# Allegro board RK_NVR_DEMO1_RK3588_LP4XD200P232SD8_V21_20211228_final_lint.brd (continued)
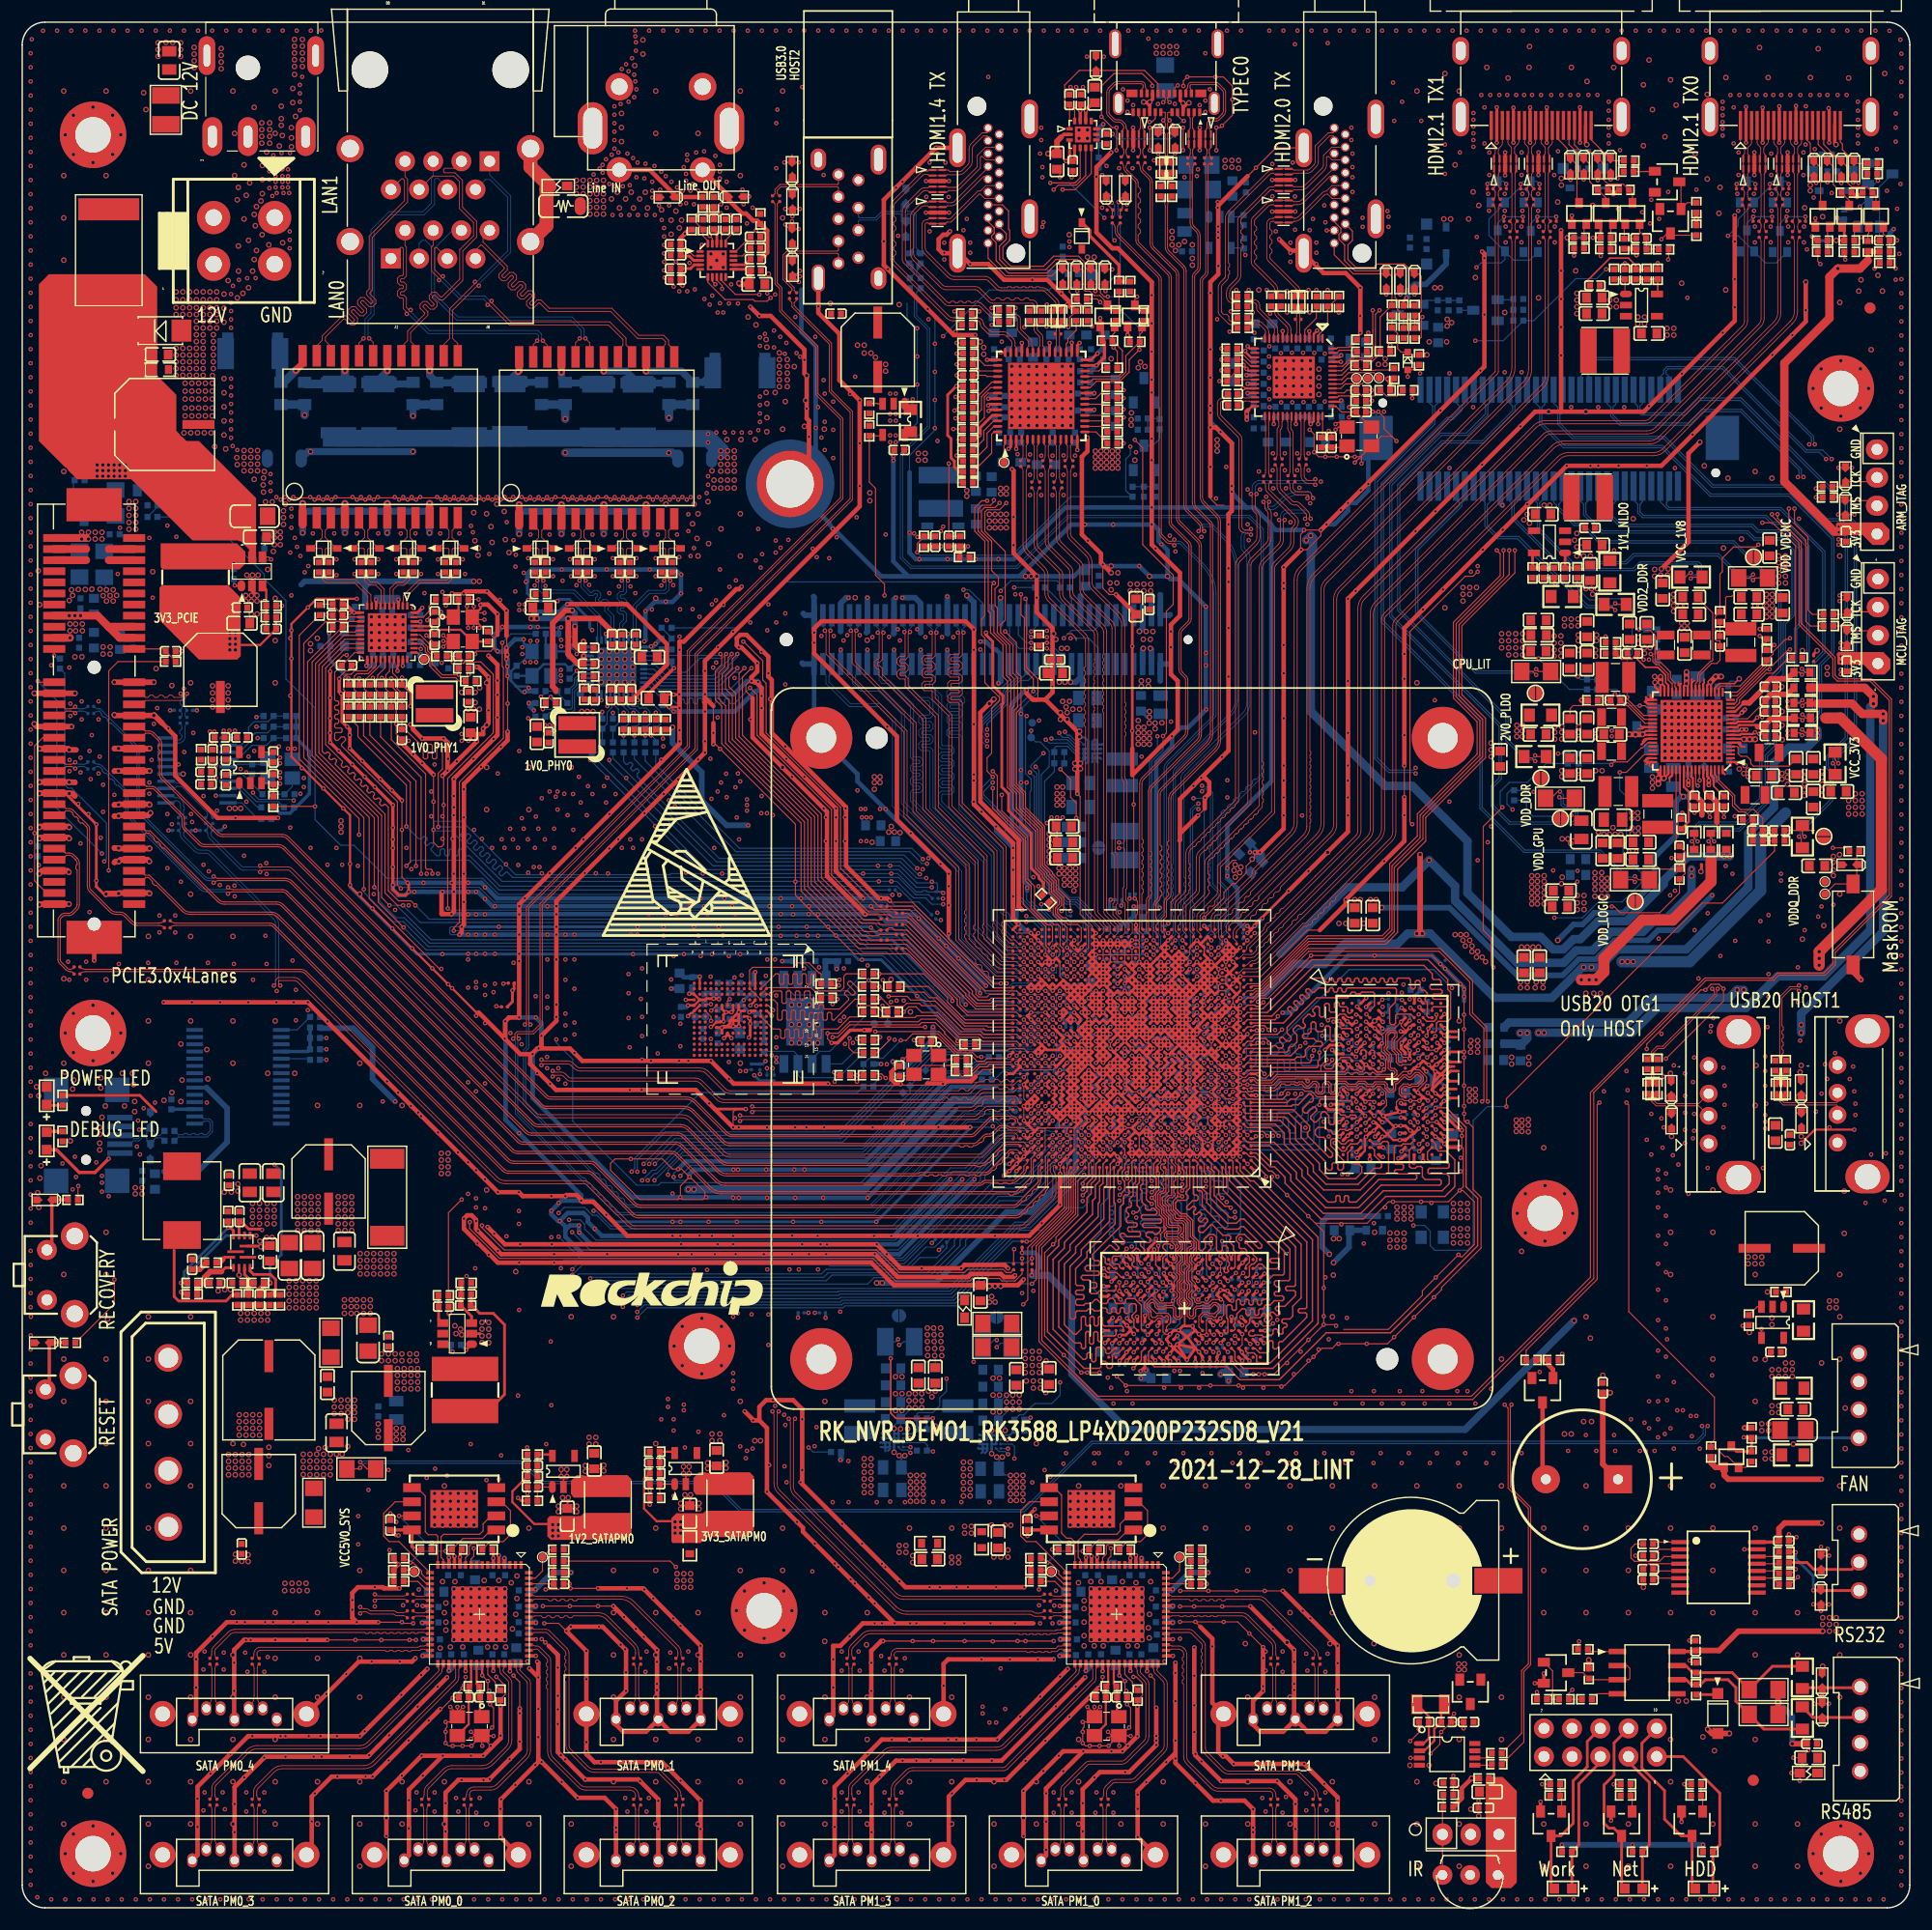
[diagram p0: board, top side]
## Routing (per net, layer and track width the routed paths; a pad name or vN(x,y) marks a point on that pad's centre or on a via; arc(x,y) is an arc through that point) (continued)
  L6-S2 w0.102: v1(133.47,122.37) 134.19,123.08 136.01,123.08 139.98,127.04 161.01,127.04 161.11,127.14 v1(161.62,127.14)
L0DN: length 2
  TOP w0.076: R5530.2 94.08,130.56 arc(94.15,130.67) 94.18,130.8 94.18,131.81 94.07,131.92 U5500.12
L0DP: length 2
  TOP w0.076: U5500.13 94.57,131.92 94.46,131.81 94.46,130.8 arc(94.49,130.67) 94.56,130.56 R5532.2
L1DN: length 4
  TOP w0.076: R5527.2 93.01,128.55 arc(93.13,128.75) 93.18,128.97 93.18,131.81 93.07,131.92 U5500.10
L1DP: length 4
  TOP w0.076: U5500.11 93.57,131.92 93.46,131.81 93.46,128.97 arc(93.5,128.75) 93.63,128.55 R5529.2
L2DN: length 4
  TOP w0.076: U5500.6 91.07,131.92 91.18,131.81 91.18,128.97 arc(91.13,128.75) 91.01,128.55 R5523.2
L2DP: length 4
  TOP w0.076: R5524.2 91.63,128.55 arc(91.5,128.75) 91.46,128.97 91.46,131.81 91.57,131.92 U5500.7
L3DN: length 2
  TOP w0.076: R5520.2 90.01,130.49 arc(90.13,130.68) 90.18,130.9 90.18,131.81 90.07,131.92 U5500.4
L3DP: length 2
  TOP w0.076: R5521.2 90.63,130.49 arc(90.5,130.68) 90.46,130.9 90.46,131.81 90.57,131.92 U5500.5
LAN0_A+: length 23.9
  TOP w0.076: v1(34.65,143.68) 34.65,143.84 34.34,144.15 34.34,145.02 34.26,145.1 34.05,145.1 33.81,145.34 33.81,145.72 34.05,145.96 34.26,145.96 34.34,146.04 34.34,146.19 34.26,146.27 34.05,146.27 33.81,146.51 33.81,146.89 34.05,147.13 34.26,147.13 34.34,147.21 34.34,149.58 34.25,149.67 34.08,149.67 33.22,148.81 J6700.A1 ; U6700.23 46.05,140.91 v1(46.4,141.27)
  BOTTOM w0.076: v1(46.4,141.27) 46.52,141.38 46.52,141.74 46.36,141.9 36.58,141.9 34.8,143.68 v1(34.65,143.68)
LAN0_A-: length 23.9
  TOP w0.076: U6700.22 47.32,140.86 v1(46.91,141.27) ; v1(35,144.04) 34.84,144.04 34.62,144.26 34.62,145.14 34.38,145.38 34.16,145.38 34.08,145.46 34.08,145.61 34.16,145.69 34.38,145.69 34.62,145.92 34.62,146.31 34.38,146.55 34.16,146.55 34.08,146.62 34.08,146.78 34.16,146.85 34.38,146.85 34.62,147.09 34.62,149.7 34.49,149.83 J6700.A2
  BOTTOM w0.076: v1(46.91,141.27) 46.8,141.38 46.8,141.86 46.47,142.18 36.7,142.18 35,143.88 v1(35,144.04)
LAN0_B+: length 24.6
  TOP w0.076: v1(50.24,141.47) 49.86,141.09 U6700.20
  BOTTOM w0.076: J6700.A3 35.76,150.03 36.04,150.31 36.35,150.31 36.88,149.78 36.88,145.39 39.15,143.12 49.44,143.12 50.35,142.21 50.35,141.58 v1(50.24,141.47)
LAN0_B-: length 24.7
  TOP w0.076: U6700.19 51.13,141.09 v1(50.74,141.47)
  BOTTOM w0.076: J6700.A6 38.77,151.21 37.16,149.6 37.16,145.51 39.27,143.4 49.55,143.4 50.63,142.32 50.63,141.58 v1(50.74,141.47)
LAN0_C+: length 25.5
  TOP w0.076: U6700.17 53.68,140.41 54.13,140.86 54.13,141.38 52.82,142.69 43.9,142.69 42.09,144.5 v1(41.94,144.5) ; J6700.A4 37.03,149.86 36.88,149.7 36.88,147.55 37.56,146.88 v1(37.56,146.72)
  BOTTOM w0.076: v1(41.94,144.5) 41.94,144.65 41.59,145 39.43,145 37.71,146.72 v1(37.56,146.72)
LAN0_C-: length 25.4
  TOP w0.076: v1(42.29,144.85) 42.29,144.69 44.02,142.97 52.93,142.97 54.4,141.5 54.4,140.89 54.95,140.34 U6700.16 ; J6700.A5 38.3,148.71 37.34,149.66 37.23,149.66 37.16,149.59 37.16,147.67 37.75,147.07 v1(37.91,147.07)
  BOTTOM w0.076: v1(37.91,147.07) 37.91,146.92 39.55,145.28 41.7,145.28 42.13,144.85 v1(42.29,144.85)
LAN0_D+: length 29.6
  TOP w0.076: J6700.A7 40.84,149.42 41.3,149.88 41.41,149.88 43.43,147.86 43.43,147.75 42.96,147.28 42.96,146.94 43.23,146.67 43.57,146.67 44.04,147.14 44.15,147.14 44.26,147.03 44.26,146.92 43.79,146.46 43.79,146.12 44.06,145.84 44.4,145.84 44.87,146.31 44.98,146.31 45.09,146.2 45.09,146.1 44.62,145.63 44.62,145.29 44.89,145.02 45.23,145.02 45.7,145.49 45.8,145.49 45.91,145.38 45.91,145.27 45.44,144.8 45.44,144.46 45.72,144.19 46.06,144.19 46.52,144.66 46.63,144.66 47.38,143.91 53.01,143.91 55.45,141.47 57.68,141.47 57.96,141.19 57.96,140.94 57.49,140.46 U6700.14
LAN0_D-: length 29.7
  TOP w0.076: U6700.13 58.75,140.4 58.24,140.91 58.24,141.31 57.8,141.75 55.56,141.75 53.12,144.19 47.5,144.19 46.75,144.94 46.41,144.94 45.94,144.47 45.83,144.47 45.72,144.58 45.72,144.69 46.19,145.15 46.19,145.49 45.92,145.77 45.58,145.77 45.11,145.3 45,145.3 44.9,145.4 44.9,145.51 45.36,145.98 45.36,146.32 45.09,146.59 44.75,146.59 44.28,146.12 44.18,146.12 44.07,146.23 44.07,146.34 44.54,146.81 44.54,147.15 44.27,147.42 43.93,147.42 43.46,146.95 43.35,146.95 43.24,147.06 43.24,147.17 43.71,147.64 43.71,147.97 41.53,150.16 41.53,150.63 J6700.A8
LAN0_MCT1: length 5.5
  TOP w0.635: v2(44.69,138.49) 44.78,138.57 U6700.24
  BOTTOM w0.635: D6702.1 44.08,137.51 R6713.1 ; D6707.1 43.94,137.74 v2(44.69,138.49)
LAN0_MCT2: length 5.4
  TOP w0.635: U6700.21 v2(48.59,138.42)
  BOTTOM w0.635: v2(48.59,138.42) 48.59,137.85 R6712.1 48.99,137.45 D6704.1
LAN0_MCT3: length 7.6
  TOP w0.635: U6700.18 v2(52.41,138.52)
  BOTTOM w0.635: R6711.1 58.21,137.45 D6705.1 54.42,138.52 v2(52.41,138.52)
LAN0_MCT4: length 8.1
  TOP w0.635: U6700.15 v2(56.22,138.52)
  BOTTOM w0.635: D6701.1 61.35,137.51 R6710.1 59.4,138.52 v2(56.22,138.52)
LAN1_A+: length 20.8
  TOP w0.076: U6800.13 39.24,141.01 38.78,141.47 38.78,144.01 40.99,146.22 v1(41.15,146.22)
  BOTTOM w0.076: J6700.B1 42.11,156.22 44.02,154.31 44.02,149.24 41.15,146.37 v1(41.15,146.22)
LAN1_A-: length 20.7
  TOP w0.076: v1(40.79,146.57) 40.79,146.42 38.5,144.13 38.5,141.44 37.98,140.92 U6800.14
  BOTTOM w0.076: J6700.B2 41.74,155.8 42.14,155.8 43.74,154.2 43.74,149.36 40.95,146.57 v1(40.79,146.57)
LAN1_B+: length 26
  TOP w0.076: U6800.16 35.44,140.75 35,141.19 35,142 36.55,143.55 36.55,143.89 36.13,144.31 36.13,144.41 36.24,144.52 36.34,144.52 36.76,144.11 37.1,144.11 37.37,144.38 37.37,144.72 36.96,145.13 36.96,145.24 37.06,145.35 37.17,145.35 37.59,144.93 37.93,144.93 39.7,146.7 39.7,149.36 40.94,150.6 40.94,152.03 39.67,153.3 39.67,155.72 38.99,156.41 38.05,156.41 37.97,156.48 37.97,156.71 38.07,156.81 38.94,156.81 J6700.B3
LAN1_B-: length 26.1
  TOP w0.076: U6800.17 34.17,140.72 34.72,141.27 34.72,142.12 36.27,143.67 36.27,143.77 35.85,144.19 35.85,144.53 36.12,144.8 36.46,144.8 36.88,144.38 36.99,144.38 37.09,144.49 37.09,144.6 36.68,145.02 36.68,145.36 36.95,145.63 37.29,145.63 37.7,145.21 37.81,145.21 39.42,146.82 39.42,149.47 40.66,150.72 40.66,151.91 39.39,153.18 39.39,155.6 38.9,156.1 36.96,156.1 J6700.B6
LAN1_C+: length 22
  TOP w0.076: v1(31.27,141.47) 31.62,141.12 U6800.19
  BOTTOM w0.076: J6700.B4 38.3,155.06 37.46,155.9 37.26,155.9 37.16,155.8 37.16,153.55 36.23,152.62 33.18,152.62 31.7,151.13 31.7,143.63 31.16,143.1 31.16,141.57 v1(31.27,141.47)
LAN1_C-: length 22.1
  TOP w0.076: v1(30.76,141.47) 30.35,141.06 U6800.20
  BOTTOM w0.076: v1(30.76,141.47) 30.88,141.6 30.88,143.21 31.42,143.74 31.42,151.25 33.07,152.9 36.12,152.9 36.88,153.66 36.88,155.92 37.03,156.08 J6700.B5
LAN1_D+: length 26.3
  TOP w0.076: J6700.B7 34.49,156.06 34.72,155.84 34.72,153.76 31.54,150.59 31.54,145.81 31.33,145.6 31.33,145.49 31.87,144.95 31.87,144.61 31.6,144.34 31.26,144.34 30.72,144.88 30.61,144.88 30.5,144.77 30.5,144.66 31.04,144.12 31.04,143.79 30.77,143.51 30.43,143.51 29.89,144.05 29.78,144.05 29.67,143.94 29.67,143.84 30.21,143.3 30.21,142.96 29.94,142.69 29.6,142.69 29.06,143.22 28.96,143.22 27.31,141.58 27.31,141.26 27.81,140.76 U6800.22
LAN1_D-: length 26.1
  TOP w0.076: J6700.B8 34.19,155.87 34.29,155.87 34.44,155.72 34.44,153.88 31.27,150.7 31.27,145.93 31.05,145.71 31.05,145.37 31.59,144.84 31.59,144.73 31.48,144.62 31.37,144.62 30.83,145.16 30.49,145.16 30.22,144.89 30.22,144.55 30.76,144.01 30.76,143.9 30.65,143.79 30.54,143.79 30.01,144.33 29.67,144.33 29.4,144.06 29.4,143.72 29.93,143.18 29.93,143.07 29.83,142.97 29.72,142.97 29.18,143.5 28.84,143.5 27.03,141.7 27.03,141.3 26.54,140.81 U6800.23
LAN1_MCT1: length 6
  TOP w0.635: v2(24.65,138.59) 25.27,139.21 U6800.24
  BOTTOM w0.762: D6800.1 23.23,137.6 R6813.1 23.57,137.51 v2(24.65,138.59)
LAN1_MCT2: length 5.9
  TOP w0.635: U6800.21 v2(29.08,138.55)
  BOTTOM w0.762: R6812.1 25.59,137.37 D6801.1 29.08,137.95 v2(29.08,138.55)
LAN1_MCT3: length 5.9
  TOP w0.635: U6800.18 v2(32.9,138.55)
  BOTTOM w0.635: v2(32.9,138.55) 32.15,137.8 D6806.1 ; R6811.1 35.07,137.37 D6802.1
LAN1_MCT4: length 5.6
  TOP w0.635: U6800.15 v2(36.71,138.55)
  BOTTOM w0.635: v2(36.71,138.55) 36.71,138.15 R6810.1 37.38,137.47 D6807.1
LINE_IN: length 8.7
  TOP w0.406: R7000.2 58.72,154.21 D7000.1 58.72,154.48 56.54,156.66 J7000.2
LINE_OUT: length 11.1
  TOP w0.406: J7000.3 63.65,154.32 D7001.1 63.65,153.95 64.87,152.73 65.22,152.73 65.86,152.09 66.22,152.09 R7003.1 67.13,151.18 67.13,149.23 C7005.2
LINEIN: length 2.1
  TOP w0.406: C7000.2 R7001.1 R7000.1
MCU_JTAG_TCK_M0/UART5_RX_M0: length 95.4
  TOP w0.089: 110.4,82.66 U1000.AE2
  TOP w0.102: v1(133.98,122.37) 133.98,120.19 129.46,115.67 129.46,109.26 131.6,107.13 131.6,103.78 126.21,98.4 126.21,96.36 123.62,93.77 123.62,87.98 122.75,87.11 115.9,87.11 111.63,82.84 111.07,82.84 110.89,82.66 110.4,82.66 ; R9109.1 161.3,116.59 160.91,116.98 160.91,123.59 159.69,124.81 v1(159.69,126.13)
  L6-S2 w0.102: v1(133.98,122.37) 134.49,122.88 136.22,122.88 140.18,126.84 158.98,126.84 v1(159.69,126.13)
MCU_JTAG_TMS_M0/UART5_TX_M0: length 95.3
  TOP w0.102: U1000.AE1 110.87,82.34 111.17,82.64 111.72,82.64 115.94,86.86 122.86,86.86 123.92,87.93 123.92,93.62 126.46,96.16 126.46,98.29 131.85,103.67 131.85,107.23 129.72,109.36 129.72,115.56 134.49,120.34 v1(134.49,122.37) ; R9108.1 161.13,115.55 160.7,115.97 160.7,123.28 159.18,124.81 v1(159.18,126.13)
  L6-S2 w0.102: v1(134.49,122.37) 136.12,122.37 140.38,126.64 158.67,126.64 v1(159.18,126.13)
MIPI_CAM3_CLKOUT: length 145
  TOP w0.102: v1(40.33,61.82) 40.31,61.79 40.31,61.24 43.01,58.54 76.66,58.54 78.69,56.51 85.42,56.51 85.65,56.74 88.06,56.74 88.29,56.51 89.46,56.51 90.09,57.14 R1917.2
  L4-S1 w0.102: v1(47.52,100.63) 47.52,100.12 40.53,93.13 40.53,62.02 v1(40.33,61.82)
  L6-S2 w0.102: v1(47.52,100.63) 48.36,101.47 58.34,101.47 70.79,113.92 70.79,116.88 72.92,119.02 84.61,119.02 v1(84.81,118.81)
  BOTTOM w0.102: v1(84.81,118.81) 85.32,118.81 86.55,117.58 U4700.39
MIPI_CAM4_CLKOUT: length 136.8
  TOP w0.102: v1(41.43,61.51) 41.43,61.31 43.43,59.3 76.98,59.3 79.01,57.27 84.91,57.27 85.19,57.55 88.39,57.55 88.67,57.27 89.07,57.27 R1918.2
  L4-S1 w0.102: v1(48.84,100.42) 48.84,100.32 41.32,92.8 41.32,61.61 v1(41.43,61.51)
  L6-S2 w0.102: v1(48.84,100.42) 49.17,100.75 58.65,100.75 71.73,113.83 85.93,113.83 v1(86.33,113.43)
  BOTTOM w0.102: U4700.40 86.55,113.21 v1(86.33,113.43)
MIPI_CSI0_PDN0_H_GPIO1_B3: length 136.2
  TOP w0.102: U1000.D27 v1(93.5,68.36)
  L4-S1 w0.102: v1(62.1,99.97) 51.69,89.55 51.69,65.07 53.26,63.49 53.26,58.82 v1(51.18,56.74)
  L6-S2 w0.102: v1(62.1,99.97) 62.02,100.04 62.02,103.04 69.77,110.79 85.21,110.79 89.48,115.05 v1(90.9,115.05)
  BOTTOM w0.089: v1(93.5,68.36) 93.5,68.12 93.42,68.04 93.36,68.04 93.17,67.85 93.17,67.58 91.9,66.31
  BOTTOM w0.102: v1(90.9,115.05) 91.35,115.5 U4700.51 ; 91.9,66.31 91.87,66.27 91.87,65.78 90.22,64.13 87.93,64.13 84.38,60.57 84.38,60.57 84,60.19 84,59.68 81.56,57.24 72.62,57.24 72.22,56.84 51.28,56.84 v1(51.18,56.74)
MIPI_CSI0_PDN1_H_GPIO1_A7: length 137.3
  TOP w0.102: v1(95.45,67.71) U1000.C25
  L4-S1 w0.102: v1(53.31,55.83) 54.02,56.55 54.02,63.95 52.6,65.37 52.6,89.15 63.47,100.02 v1(63.47,100.12)
  L6-S2 w0.102: v1(63.47,100.12) 63.37,100.22 63.37,101.74 63.04,102.07 63.04,102.41 70.2,109.57 85.59,109.57 89.14,113.12 91.01,113.12 91.41,113.53 91.41,114.2 v1(92.33,115.12)
  BOTTOM w0.089: 95.04,66.31 95.4,66.67 95.55,66.67 95.81,66.92 95.81,67.14 95.74,67.2 95.74,67.24 95.45,67.53 v1(95.45,67.71)
  BOTTOM w0.102: v1(92.33,115.12) 92.95,115.74 U4700.55 ; 95.04,66.31 94.79,66.06 94.79,66.01 90.6,61.82 89.46,61.82 83.48,55.83 v1(53.31,55.83)
MIPI_CSI0_RST_GPIO1_A4: length 142.3
  TOP w0.089: 95.12,67.39 U1000.B25
  TOP w0.102: 95.12,67.39 94.79,67.06 94.79,66.54 94.51,66.26 94.51,62.81 94.5,62.79 91.36,59.66 91.36,56.63 v1(90.98,56.25)
  L4-S1 w0.102: v1(55.42,53.21) 56.06,53.84 56.06,55.11 55.65,55.52 55.65,64.46 54.43,65.68 54.43,71.47 55.24,72.28 55.24,84.27 54.43,85.08 54.43,88.54 64.18,98.29 v1(64.39,98.29)
  L6-S2 w0.102: v1(64.39,98.29) 62.28,100.4 62.28,102.89 69.87,110.48 85.32,110.48 89.38,114.55 v1(90.9,114.55)
  BOTTOM w0.102: v1(90.9,114.55) 90.55,114.9 U4700.49 ; v1(55.42,53.21) 56.31,54.09 73.96,54.09 74.13,54.26 84.42,54.26 87.2,57.04 88.06,57.04 88.85,56.25 v1(90.98,56.25)
MIPI_CSI0_RX_CLK0N: length 38.1
  TOP w0.076: U1000.AJ34 89.2,85.01 88.12,85.01 85.85,87.28 85.85,87.43 85.72,87.56 85.72,87.79 85.85,87.91 85.85,88.14 85.72,88.27 85.72,88.5 85.85,88.62 85.85,94.3 81.15,99 81.15,107.14 77.21,111.08 77.21,111.61 77.14,111.69 77.02,111.69 76.78,111.93 76.78,112.31 77.02,112.55 77.14,112.55 77.21,112.63 77.21,114.83 v1(77.09,114.95)
  BOTTOM w0.076: v1(77.09,114.95) 77.21,115.07 77.21,115.24 76.95,115.5 U4700.15
MIPI_CSI0_RX_CLK0P: length 38.2
  TOP w0.076: v1(77.59,114.95) 77.49,114.85 77.49,112.51 77.25,112.27 77.14,112.27 77.06,112.19 77.06,112.04 77.14,111.97 77.25,111.97 77.49,111.73 77.49,111.19 81.43,107.26 81.43,99.12 86.13,94.42 86.13,87.39 88.24,85.29 89.57,85.29 U1000.AJ33
  BOTTOM w0.076: U4700.17 77.75,115.5 77.49,115.24 77.49,115.17 77.49,115.06 v1(77.59,114.95)
MIPI_CSI0_RX_CLK1N: length 39
  TOP w0.076: U1000.AM34 89.2,86.96 88.96,86.96 88.37,87.55 88.37,87.78 88.32,87.83 88.26,87.89 88.26,88.12 88.32,88.17 88.37,88.22 88.37,88.45 88.32,88.51 88.26,88.56 88.26,88.79 88.32,88.84 88.37,88.9 88.37,95.54 84.43,99.48 84.43,108.53 84.35,108.6 83.63,108.6 83.39,108.84 83.39,109.23 83.63,109.47 84.35,109.47 84.43,109.54 84.43,109.7 84.35,109.77 83.63,109.77 83.39,110.01 83.39,110.4 83.63,110.64 84.35,110.64 84.43,110.71 84.43,110.87 84.35,110.94 83.63,110.94 83.39,111.18 83.39,111.57 83.63,111.81 84.35,111.81 84.43,111.88 84.43,112.03 84.35,112.11 83.63,112.11 83.39,112.35 83.39,112.73 83.63,112.97 84.35,112.97 84.43,113.05 84.43,114.83 v1(84.31,114.95)
  BOTTOM w0.076: U4700.33 84.15,115.5 84.41,115.24 84.41,115.06 v1(84.31,114.95)
MIPI_CSI0_RX_CLK1P: length 39.1
  TOP w0.076: U1000.AM33 89.81,86.89 89.46,87.24 89.08,87.24 88.65,87.67 88.65,95.66 84.71,99.6 84.71,108.64 84.47,108.88 83.74,108.88 83.67,108.96 83.67,109.11 83.74,109.19 84.47,109.19 84.71,109.43 84.71,109.81 84.47,110.05 83.74,110.05 83.67,110.13 83.67,110.28 83.74,110.36 84.47,110.36 84.71,110.6 84.71,110.98 84.47,111.22 83.74,111.22 83.67,111.3 83.67,111.45 83.74,111.53 84.47,111.53 84.71,111.77 84.71,112.15 84.47,112.39 83.74,112.39 83.67,112.47 83.67,112.62 83.74,112.69 84.47,112.69 84.71,112.93 84.71,114.85 v1(84.81,114.95)
  BOTTOM w0.076: U4700.35 84.95,115.5 84.69,115.24 84.69,115.17 84.69,115.07 v1(84.81,114.95)
MIPI_CSI0_RX_D0N: length 41.4
  TOP w0.076: v1(72.32,115.13) 72.34,115.13 72.43,115.04 72.43,113.01 79.45,105.99 79.45,98.37 84.12,93.7 84.12,87.23 85.91,85.44 85.91,85.15 86.05,85.01 86.34,85.01 86.48,84.87 86.48,84.58 86.63,84.44 86.91,84.44 87.06,84.29 87.06,84 87.2,83.86 87.49,83.86 87.63,83.72 89.19,83.72 U1000.AG34
  BOTTOM w0.076: v1(72.32,115.13) 72.32,115.15 72.32,115.33 72.15,115.5 U4700.3
MIPI_CSI0_RX_D0P: length 41.2
  TOP w0.076: U1000.AG33 89.56,84 87.75,84 84.4,87.35 84.4,93.81 79.73,98.48 79.73,106.1 72.71,113.12 72.71,115.04 72.79,115.13 v1(72.82,115.13)
  BOTTOM w0.076: v1(72.82,115.13) 72.82,115.37 72.95,115.5 U4700.5
MIPI_CSI0_RX_D1N: length 39.6
  TOP w0.076: U1000.AH34 89.19,84.37 87.87,84.37 85.04,87.21 85.04,87.34 84.91,87.47 84.91,87.69 85.04,87.82 85.04,88.05 84.91,88.18 84.91,88.41 85.04,88.53 85.04,88.76 84.91,88.89 84.91,89.12 85.04,89.24 85.04,89.47 84.91,89.6 84.91,89.83 85.04,89.95 85.04,94 80.26,98.77 80.26,106.71 74.78,112.2 74.78,115.04 74.68,115.13 v1(74.65,115.13)
  BOTTOM w0.076: v1(74.65,115.13) 74.65,115.16 74.71,115.21 74.71,115.34 74.55,115.5 U4700.9
MIPI_CSI0_RX_D1P: length 39.5
  TOP w0.076: U1000.AH33 89.56,84.65 87.99,84.65 85.32,87.32 85.32,94.11 80.54,98.89 80.54,106.82 75.05,112.31 75.05,115.05 75.13,115.13 v1(75.16,115.13)
  BOTTOM w0.076: U4700.11 75.35,115.5 75.14,115.29 75.14,115.18 75.16,115.16 v1(75.16,115.13)
MIPI_CSI0_RX_D2N: length 38.1
  TOP w0.076: v1(79.49,115.01) 79.55,114.95 79.55,112.88 79.47,112.8 79.05,112.8 78.81,112.57 78.81,112.18 79.05,111.94 79.47,111.94 79.55,111.87 79.55,111.71 79.47,111.64 79.05,111.64 78.81,111.4 78.81,111.01 79.05,110.77 79.47,110.77 79.55,110.7 79.55,110.09 82.27,107.37 82.27,99.1 86.66,94.71 86.66,88.7 86.54,88.58 86.54,88.35 86.66,88.22 86.66,87.99 86.54,87.87 86.54,87.64 86.66,87.51 86.66,87.35 88.35,85.67 89.19,85.67 U1000.AK34
  BOTTOM w0.076: v1(79.49,115.01) 79.61,115.13 79.61,115.24 79.35,115.5 U4700.21
MIPI_CSI0_RX_D2P: length 38.2
  TOP w0.076: U1000.AK33 89.56,85.95 88.47,85.95 86.94,87.47 86.94,94.82 82.55,99.22 82.55,107.49 79.83,110.2 79.83,110.81 79.59,111.05 79.17,111.05 79.09,111.13 79.09,111.28 79.17,111.36 79.59,111.36 79.83,111.6 79.83,111.98 79.59,112.22 79.17,112.22 79.09,112.3 79.09,112.45 79.17,112.53 79.59,112.53 79.83,112.77 79.83,114.85 v1(79.99,115.01)
  BOTTOM w0.076: v1(79.99,115.01) 79.89,115.11 79.89,115.24 80.15,115.5 U4700.23
MIPI_CSI0_RX_D3N: length 38.5
  TOP w0.076: v1(81.87,114.95) 81.99,114.83 81.99,112.98 81.91,112.91 81.29,112.91 81.05,112.67 81.05,112.28 81.29,112.04 81.91,112.04 81.99,111.97 81.99,111.82 81.91,111.74 81.29,111.74 81.05,111.5 81.05,111.12 81.29,110.88 81.91,110.88 81.99,110.8 81.99,110.65 81.91,110.57 81.29,110.57 81.05,110.33 81.05,109.95 81.29,109.71 81.91,109.71 81.99,109.63 81.99,108.92 83.49,107.42 83.49,99.22 87.55,95.15 87.55,88.8 87.45,88.7 87.45,88.47 87.55,88.37 87.55,88.14 87.45,88.04 87.45,87.81 87.55,87.71 87.55,87.48 88.73,86.3 89.21,86.3 U1000.AL34
  BOTTOM w0.076: U4700.27 81.75,115.5 82.01,115.24 82.01,115.1 v1(81.87,114.95)
MIPI_CSI0_RX_D3P: length 38.6
  TOP w0.076: v1(82.37,114.95) 82.27,114.85 82.27,112.87 82.03,112.63 81.4,112.63 81.33,112.55 81.33,112.4 81.4,112.32 82.03,112.32 82.27,112.08 82.27,111.7 82.03,111.46 81.4,111.46 81.33,111.38 81.33,111.23 81.4,111.15 82.03,111.15 82.27,110.91 82.27,110.53 82.03,110.29 81.4,110.29 81.33,110.21 81.33,110.06 81.4,109.99 82.03,109.99 82.27,109.75 82.27,109.03 83.77,107.54 83.77,99.33 87.83,95.27 87.83,87.6 88.85,86.58 89.58,86.58 U1000.AL33
  BOTTOM w0.076: U4700.29 82.55,115.5 82.29,115.24 82.29,115.17 82.29,115.03 v1(82.37,114.95)
MIPI_CSI1_PDN0_H_GPIO1_B4: length 138.3
  TOP w0.102: U1000.E24 v1(96.1,69.01)
  L4-S1 w0.102: v1(65.3,99.92) 64.59,99.92 53.52,88.84 53.52,65.68 54.79,64.41 54.79,54.83 v1(54.13,54.17)
  L6-S2 w0.102: v1(65.3,99.92) 67.33,101.95 68.65,101.95 69.26,102.56 73.63,102.56 75.05,103.98 75.05,105.5 76.99,107.43 85.72,107.43 v1(86.94,106.21)
  BOTTOM w0.089: 96.09,63.64 96.09,65.42 96.57,65.91 96.57,67.43 96.42,67.58 96.42,68.5 96.1,68.82 v1(96.1,69.01)
  BOTTOM w0.102: 96.09,63.64 95.55,63.11 93.9,63.11 91.87,61.08 89.86,61.08 83.81,55.03 73.75,55.03 73.63,54.91 54.86,54.91 v1(54.13,54.17) ; v1(86.94,106.21) 86.94,106.72 88.77,108.55 88.77,109.5 89.9,110.63 90.65,110.63 91.35,111.34 U4700.52
MIPI_CSI1_PDN1_H_GPIO1_B0: length 135.9
  TOP w0.089: U1000.C27 93.82,68.04
  TOP w0.102: 93.82,68.04 v1(93.5,67.71)
  L4-S1 w0.102: v1(51.18,56.23) 53.52,58.56 53.52,63.64 51.99,65.17 51.99,89.35 62.76,100.12 62.76,100.22 64.49,101.95 v1(64.49,102.25)
  L6-S2 w0.102: v1(92.33,113.53) 92.23,113.53 91.21,112.51 89.4,112.51 85.84,108.96 70.46,108.96 64.49,102.99 v1(64.49,102.25)
  BOTTOM w0.089: v1(93.5,67.71) 93.5,67.53 92.27,66.31
  BOTTOM w0.102: v1(92.33,113.53) 92.43,113.53 92.95,113.01 U4700.56 ; 92.27,66.31 92.25,66.29 92.25,65.52 90.47,63.75 88.06,63.75 84.5,60.19 84.5,59.68 81.86,57.04 72.97,57.04 72.46,56.53 51.48,56.53 v1(51.18,56.23)
MIPI_CSI1_RST_GPIO1_B5: length 110.4
  TOP w0.102: v1(95.45,69.01) U1000.E25
  L4-S1 w0.102: v1(66.62,100.22) 68.9,97.94 68.9,57.79 v1(69.14,57.55)
  L6-S2 w0.089: 94.68,66.31 94.92,66.54 94.92,68.84 95.09,69.01 v1(95.45,69.01)
  L6-S2 w0.102: 94.68,66.31 94.46,66.08 94.46,65.78 93.14,64.46 93.14,61.31 91.62,59.78 91.62,58.41 91.23,58.03 69.62,58.03 v1(69.14,57.55) ; v1(66.62,100.22) 67.92,101.52 73.66,101.52 76.22,104.08 77.8,104.08 79.42,105.71 v1(86.94,105.71)
  BOTTOM w0.102: U4700.50 90.55,111.35 90.04,110.84 89.82,110.84 88.57,109.58 88.57,108.65 86.54,106.62 86.54,106.11 v1(86.94,105.71)
MIPI_CSI1_RX_CLK0N: length 38.1
  TOP w0.086: U1000.AJ32 v1(90.25,85.26)
  BOTTOM w0.076: U4700.16 76.95,111.33 77.21,111.07 77.21,110.62 77.45,110.38 78.01,110.38 80.03,108.36 80.03,103.69 80.27,103.45 80.8,103.45 80.87,103.38 80.87,103.22 80.8,103.15 80.27,103.15 80.03,102.91 80.03,102.52 80.27,102.28 80.8,102.28 80.87,102.21 80.87,102.06 80.8,101.98 80.27,101.98 80.03,101.74 80.03,101.36 80.27,101.12 80.8,101.12 80.87,101.04 80.87,100.89 80.8,100.81 80.27,100.81 80.03,100.57 80.03,99.77 85.85,93.95 85.85,88.27 88.23,85.89 88.23,85.6 88.37,85.46 88.66,85.46 88.8,85.31 90.2,85.31 v1(90.25,85.26)
MIPI_CSI1_RX_CLK0P: length 38.2
  TOP w0.086: U1000.AJ31 v1(90.9,85.26)
  BOTTOM w0.076: U4700.18 77.75,111.35 77.49,111.09 77.49,110.74 77.57,110.66 78.13,110.66 80.31,108.48 80.31,103.81 80.39,103.73 80.91,103.73 81.15,103.49 81.15,103.11 80.91,102.87 80.39,102.87 80.31,102.79 80.31,102.64 80.39,102.56 80.91,102.56 81.15,102.32 81.15,101.94 80.91,101.7 80.39,101.7 80.31,101.62 80.31,101.47 80.39,101.4 80.91,101.4 81.15,101.16 81.15,100.77 80.91,100.53 80.39,100.53 80.31,100.46 80.31,99.88 86.13,94.07 86.13,88.38 88.92,85.59 90.57,85.59 v1(90.9,85.26)
MIPI_CSI1_RX_CLK1N: length 35.9
  TOP w0.086: U1000.AM32 90.57,86.89 v1(90.25,87.21)
  BOTTOM w0.076: U4700.34 84.15,111.34 84.41,111.08 84.41,109.94 84.34,109.87 83.55,109.87 83.31,109.63 83.31,109.24 83.55,109.01 84.54,109.01 84.62,108.93 84.62,108.78 84.54,108.7 83.55,108.7 83.31,108.46 83.31,108.08 83.55,107.84 84.34,107.84 84.41,107.76 84.41,107.61 84.34,107.53 83.55,107.53 83.31,107.29 83.31,106.91 83.55,106.67 84.34,106.67 84.41,106.59 84.41,106.44 84.34,106.36 83.55,106.36 83.31,106.12 83.31,105.74 83.55,105.5 84.34,105.5 84.41,105.42 84.41,99 88.16,95.25 88.16,89.72 88.4,89.48 88.61,89.48 88.69,89.41 88.69,88.74 89.63,87.79 89.63,87.5 89.78,87.36 90.07,87.36 90.21,87.21 v1(90.25,87.21)
MIPI_CSI1_RX_CLK1P: length 36.1
  TOP w0.086: v1(90.9,87.21) 91.22,86.89 U1000.AM31
  BOTTOM w0.076: U4700.36 84.95,111.34 84.69,111.08 84.69,109.83 84.45,109.59 83.67,109.59 83.59,109.51 83.59,109.36 83.67,109.28 84.65,109.28 84.89,109.04 84.89,108.66 84.65,108.42 83.67,108.42 83.59,108.34 83.59,108.19 83.67,108.12 84.45,108.12 84.69,107.88 84.69,107.49 84.45,107.25 83.67,107.25 83.59,107.18 83.59,107.02 83.67,106.95 84.45,106.95 84.69,106.71 84.69,106.32 84.45,106.08 83.67,106.08 83.59,106.01 83.59,105.86 83.67,105.78 84.45,105.78 84.69,105.54 84.69,99.12 88.44,95.37 88.44,89.84 88.52,89.76 88.72,89.76 88.96,89.52 88.96,88.85 90.27,87.55 90.56,87.55 v1(90.9,87.21)
MIPI_CSI1_RX_D0N: length 39.3
  TOP w0.086: U1000.AG32 v1(90.25,83.96)
  BOTTOM w0.076: v1(90.25,83.96) 90.21,84 90.01,84 89.8,83.8 89.6,83.8 89.4,84 87.63,84 84.38,87.25 84.38,93.34 78.41,99.31 78.41,107.04 77.17,108.27 74.52,108.27 72.41,110.38 72.41,111.09 72.15,111.35 U4700.4
MIPI_CSI1_RX_D0P: length 39.5
  TOP w0.086: U1000.AG31 v1(90.9,83.96)
  BOTTOM w0.076: U4700.6 72.95,111.33 72.69,111.07 72.69,110.5 74.64,108.55 77.29,108.55 78.69,107.15 78.69,99.42 84.66,93.46 84.66,87.37 87.74,84.28 90.58,84.28 v1(90.9,83.96)
MIPI_CSI1_RX_D1N: length 37.5
  TOP w0.086: U1000.AH32 v1(90.25,84.61)
  BOTTOM w0.076: v1(90.25,84.61) 90.2,84.66 89.99,84.66 89.79,84.46 89.59,84.46 89.38,84.66 88.17,84.66 88.03,84.81 87.74,84.81 87.6,84.95 87.6,85.24 87.46,85.38 87.17,85.38 87.02,85.53 87.02,85.81 86.88,85.96 86.59,85.96 86.45,86.1 86.45,86.39 86.31,86.53 86.02,86.53 85.88,86.67 85.88,86.96 85.11,87.72 85.11,93.64 79.22,99.54 79.22,107.63 77.19,109.67 75.52,109.67 74.81,110.38 74.81,111.12 74.55,111.38 U4700.10
MIPI_CSI1_RX_D1P: length 36.9
  TOP w0.086: U1000.AH31 v1(90.9,84.61)
  BOTTOM w0.076: U4700.12 75.35,111.38 75.09,111.12 75.09,110.5 75.64,109.95 77.3,109.95 79.5,107.75 79.5,99.65 85.39,93.76 85.39,87.84 88.29,84.94 90.57,84.94 v1(90.9,84.61)
MIPI_CSI1_RX_D2N: length 37.3
  TOP w0.086: U1000.AK32 v1(90.25,85.91)
  BOTTOM w0.076: U4700.22 79.35,111.37 79.61,111.11 79.61,109.99 80.78,108.83 81.6,108.83 81.79,108.64 81.79,107.59 81.71,107.52 81.01,107.52 80.77,107.28 80.77,106.89 81.01,106.65 81.71,106.65 81.79,106.58 81.79,106.42 81.71,106.35 81.01,106.35 80.77,106.11 80.77,105.72 81.01,105.48 81.71,105.48 81.79,105.41 81.79,105.26 81.71,105.18 81.01,105.18 80.77,104.94 80.77,104.56 81.01,104.32 81.71,104.32 81.79,104.24 81.79,99.08 86.59,94.28 86.59,88.67 88.72,86.54 88.72,86.25 88.87,86.11 89.15,86.11 89.3,85.96 90.2,85.96 v1(90.25,85.91)
MIPI_CSI1_RX_D2P: length 37.5
  TOP w0.086: U1000.AK31 v1(90.9,85.91)
  BOTTOM w0.076: v1(90.9,85.91) 90.57,86.24 89.41,86.24 86.87,88.79 86.87,94.39 82.07,99.19 82.07,104.36 81.83,104.6 81.13,104.6 81.05,104.67 81.05,104.82 81.13,104.9 81.83,104.9 82.07,105.14 82.07,105.52 81.83,105.76 81.13,105.76 81.05,105.84 81.05,105.99 81.13,106.07 81.83,106.07 82.07,106.31 82.07,106.69 81.83,106.93 81.13,106.93 81.05,107.01 81.05,107.16 81.13,107.24 81.83,107.24 82.07,107.48 82.07,108.75 81.72,109.1 80.89,109.1 79.89,110.1 79.89,111.12 80.15,111.38 U4700.24
